# Allegro board RK_TABLET_DEMO1_RK3576_LP4XD200P132SD6_V12_20240530YWQ.brd (continued)
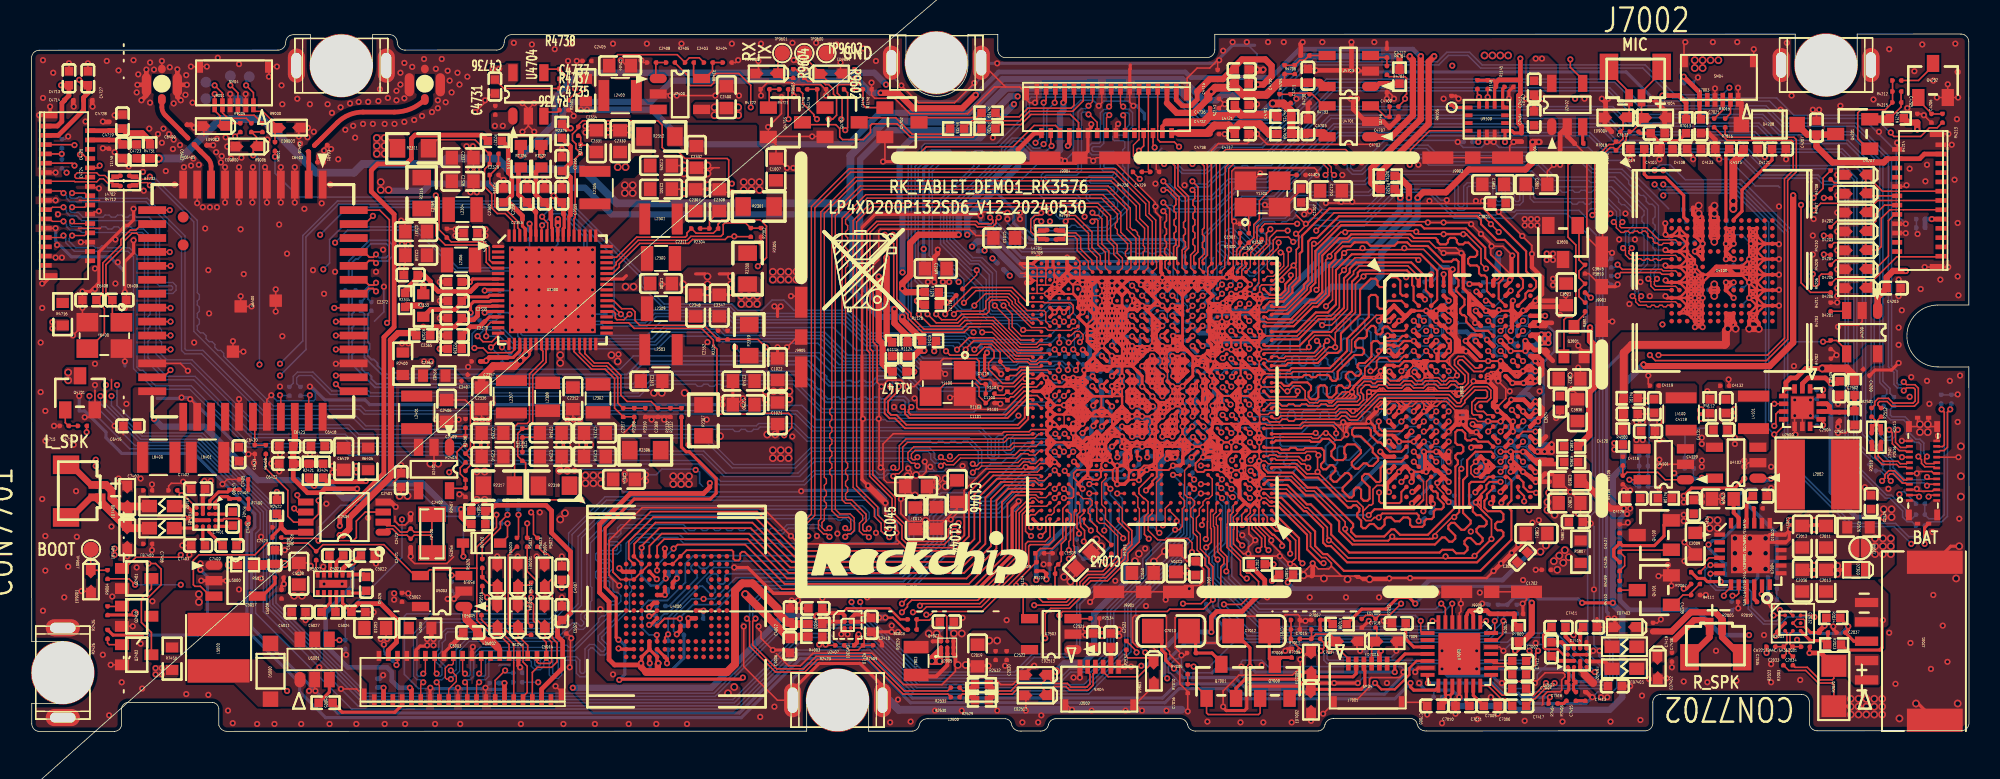
[diagram p0: board, top side]
## Routing (per net, layer and track width the routed paths; a pad name or vN(x,y) marks a point on that pad's centre or on a via; arc(x,y) is an arc through that point) (continued)
  TOP w0.203: C7013.1 72.93,5.91 72.93,5.26 73.18,5 73.18,4.6 v1(73.71,4.06)
  BOTTOM w0.203: v1(73.71,4.06) 74.3,3.48 77.65,3.48 78.41,2.72 86.29,2.72 v1(86.69,3.12)
HPOUT_R: length 15.1
  TOP w0.203: C7012.1 78.62,5.4 v1(78.62,4.19) ; U7000.11 88.62,5 87.96,4.34 v1(87.96,3.83)
  BOTTOM w0.203: v1(78.62,4.19) 78.97,3.83 v1(87.96,3.83)
HPOUT_R_C: length 6.6
  TOP w0.203: Q7000.2 81.59,2.55 ED7002.1 82.71,2.72 85.78,2.72 86.03,2.97 86.03,3.93 85.97,3.99 J7001.3
I2C0_SCL_M1_TP: length 43.3
  TOP w0.089: U1000.AB28 65.07,25.27 64.8,25 63.83,25 62.09,26.75 61.09,26.75
  TOP w0.102: 61.09,26.75 60.12,26.75 59.77,26.39 58.37,26.39 v1(57.81,26.95) ; v1(31.42,13.99) 31.42,12.59 R5021.1
  L4-SIG w0.089: 55,25.69 56.55,25.69 v1(57.81,26.95)
  L4-SIG w0.102: v1(31.42,13.99) 32.79,15.37 32.79,17.09 33.76,18.06 44.38,18.06 46.97,20.65 49.81,20.65 54.85,25.69 55,25.69
  BOTTOM w0.102: R1138.2 v1(31.42,13.99)
I2C0_SDA_M1_TP: length 47.3
  TOP w0.089: 61.31,26.54 62.03,26.54 63.76,24.81 64.88,24.81 65.06,24.99 65.7,24.99 U1000.1V24
  TOP w0.102: 61.31,26.54 60.23,26.54 59.87,26.19 58.02,26.19 v1(57.25,26.95) ; v1(30.71,13.99) 30.25,13.54 30.25,13.13 29.09,11.96 R5020.1
  L4-SIG w0.089: 55,25.89 56.36,25.89 57.25,26.79 v1(57.25,26.95)
  L4-SIG w0.102: v1(30.71,13.99) 32.39,15.67 32.39,17.55 33.76,18.92 42.7,18.92 43.36,18.26 44.28,18.26 46.87,20.85 49.71,20.85 54.75,25.89 55,25.89
  BOTTOM w0.102: R1139.2 v1(30.71,13.99)
I2C1_SCL_M0_RK806: length 42.7
  TOP w0.102: v1(28.78,25.53) 29.14,25.17 29.7,25.17 30.11,25.58 U2300.17 ; v1(66.86,23.35) 66.92,23.41 U1000.1T22
  BOTTOM w0.089: 61.37,23.44 R1128.2
  BOTTOM w0.102: 61.37,23.44 63.63,23.44 63.78,23.6 65.97,23.6 66.07,23.7 66.42,23.7 66.77,23.35 v1(66.86,23.35) ; v1(28.78,25.53) 29.19,25.93 30.2,25.93 31.17,24.97 40.3,24.97 41.11,25.78 44.1,25.78 44.5,25.37 50.93,25.37 52.4,23.9 56.77,23.9 57.23,23.44 60.7,23.44 R1128.2
I2C1_SDA_M0_RK806: length 41.4
  TOP w0.102: U2300.15 29.63,26.42 29.34,26.14 v1(29.34,25.53) ; U1000.1T23 66.32,23.36 v1(66.28,23.33)
  BOTTOM w0.102: v1(29.34,25.53) 30.2,25.53 30.97,24.76 32.29,24.76 32.34,24.71 40.39,24.71 41.2,25.53 44,25.53 44.35,25.17 48.95,25.17 49.05,25.07 50.73,25.07 52.1,23.7 55.96,23.7 57.43,22.22 61.57,22.22 R1127.2 62.08,22.73 63.22,22.73 63.88,23.39 66.22,23.39 v1(66.28,23.33)
I2C2_SCL_M0_SENSOR: length 52.8
  TOP w0.089: U1000.1W24 65.69,25.55 63.86,25.55 63.27,26.14 63.27,26.95 v1(62.72,27.51)
  TOP w0.102: J4701.28 65.76,37.87 v1(65.82,37.82) ; R1145.2 v1(93.96,40.97) 93.91,40.92 U9100.13
  L4-SIG w0.102: v1(65.82,37.82) 66.17,37.46 70.28,37.46 71.96,39.14 80.14,39.14 81.31,40.31 93.3,40.31 v1(93.96,40.97)
  BOTTOM w0.089: v1(62.72,27.51) 62.26,27.96 62.26,29.69 61.34,30.61
  BOTTOM w0.102: 61.34,30.61 60.73,30.61 59.46,31.88 59.46,33.55 62.79,36.88 62.79,37.56 63.36,38.12 63.88,38.12 64.54,37.46 65.46,37.46 v1(65.82,37.82)
I2C2_SDA_M0_SENSOR: length 54.8
  TOP w0.089: v1(62.16,27.51) 63.07,26.59 63.07,26.03 63.84,25.27 U1000.AB29
  TOP w0.102: v1(66.02,40.61) 66.06,40.66 J4701.27 ; U9100.14 93.41,40.91 93.4,40.92 v1(93.4,40.97) 93.4,41.08 93.3,41.18 R1146.2
  L4-SIG w0.102: v1(93.4,40.97) 92.94,40.51 81.21,40.51 80.04,39.34 71.87,39.34 70.27,37.75 67.51,37.75 67.08,38.18 65.54,38.18 v1(65.3,37.93)
  BOTTOM w0.102: v1(62.16,27.51) 62,27.66 62,29.59 61.19,30.4 60.63,30.4 59.26,31.77 59.26,33.65 62.59,36.98 62.59,37.65 63.27,38.33 63.98,38.33 64.64,37.67 65.04,37.67 v1(65.3,37.93) 65.51,38.14 65.51,40.11 v1(66.02,40.61)
I2C3_SCL_M0_AUDIO: length 29.9
  TOP w0.089: 77.35,13.32 77.36,13.34 77.36,13.35 77.36,13.98 77.53,14.16 77.53,14.59 U1000.1A4
  TOP w0.102: v1(76.94,8.2) 78.06,8.2 79.17,9.32 79.17,9.68 78.62,10.24 78.41,10.24 78.21,10.44 78.21,11.11 77.35,11.97 77.35,13.32 ; v1(94.41,7.14) 94.41,6.45 94.31,6.35 U7000.28
  BOTTOM w0.102: v1(76.94,8.2) 78.77,6.37 93.75,6.37 94.41,7.04 v1(94.41,7.14) 94.62,7.34 R1801.2 C7007.1
I2C3_SDA_M0_AUDIO: length 29.3
  TOP w0.089: U1000.B8 76.07,14.18 76.07,13.13 76.13,13.08
  TOP w0.102: v1(94.97,7.14) 94.97,7.04 94.92,6.98 94.92,6.27 94.55,5.9 U7000.27 ; v1(75.8,11.89) 76.13,12.22 76.13,13.08
  BOTTOM w0.102: C7008.1 R1800.2 94.97,7.37 v1(94.97,7.14) 94.01,6.17 78.46,6.17 76.58,8.05 76.58,8.91 75.92,9.57 75.92,10.59 75.77,10.74 75.77,11.86 v1(75.8,11.89)
I2C4_SCL_M3_MIPI_CSI0: length 111.2
  TOP w0.089: U1000.1E9 74.4,16.85 74.4,15.31 74.61,15.1 74.82,15.1 75.05,14.87 75.05,14.63 74.8,14.38 74.8,13.9 74.96,13.74 74.96,12.83 75.21,12.57 75.21,11.71 75.45,11.47 ; 71.46,39.04 71.46,38.23 71.45,38.23 71.1,37.87 71.1,37.16 v1(71.45,36.8)
  TOP w0.102: 75.45,11.47 75.45,11.42 75.72,11.15 75.72,10.74 75.97,10.49 75.97,9.32 v1(75.82,9.17) ; J4701.9 71.46,39.04
  L4-SIG w0.102: v1(71.45,36.8) 71.71,36.8 72.01,37.11 72.01,37.76 72.38,38.12 75.11,38.12 75.82,37.41 79.89,37.41 81.77,39.29 97.53,39.29 98.39,38.43 105.59,38.43 106.86,37.16 106.86,23.7 105.13,21.97 102.66,21.97 101.58,20.89 101.58,11.93 96.02,6.37 88.98,6.37 88.78,6.58 81.92,6.58 81.41,7.09 78.57,7.09 76.22,9.43 76.08,9.43 v1(75.82,9.17)
  BOTTOM w0.102: v1(75.82,9.17) 75.82,8.81 R1927.2
I2C4_SDA_M3_MIPI_CSI0: length 113.2
  TOP w0.089: v1(72.77,12.83) 72.72,12.83 72.58,12.96 72.58,16.09 72.92,16.42 U1000.1D12
  TOP w0.102: J4701.8 71.76,37.83 v1(71.45,37.52)
  L4-SIG w0.102: v1(72.77,12.83) 75.16,10.44 75.16,8.51 76.99,6.68 81.21,6.68 81.71,6.17 88.57,6.17 88.78,5.97 96.21,5.97 101.98,11.74 101.98,17.5 102.49,18.01 102.49,20.04 103.46,21.01 104.83,21.01 108.38,24.56 108.38,26.19 109.6,27.41 110.21,27.41 110.42,27.61 110.42,31.52 111.18,32.28 111.18,34.13 109.37,35.94 108.27,35.94 107.88,36.33 107.88,36.5 107.88,37.4 106.44,38.84 98.56,38.84 97.7,39.7 81.58,39.7 79.7,37.82 76.03,37.82 75.31,38.53 72.21,38.53 71.45,37.78 v1(71.45,37.52)
  BOTTOM w0.102: R1926.2 72.34,13.26 72.58,13.02 72.58,12.96 72.72,12.83 v1(72.77,12.83)
I2C5_SCL_M3_MIPI_CSI3: length 114.7
  TOP w0.102: U1000.1D9 v1(75.02,16.27) ; v1(2.77,36.55) 2.62,36.7 J4702.9
  L4-SIG w0.102: v1(2.77,36.55) 3.84,36.55 4.75,35.64 4.75,33.35 4.45,33.04 v1(4.45,21.67)
  BOTTOM w0.089: R1935.2 74.91,16.38 v1(75.02,16.27)
  BOTTOM w0.102: v1(75.02,16.27) 75.02,16.24 74.55,15.77 74.55,12.67 73.89,12.01 73.89,11.49 70.54,8.14 70.54,5.36 68,2.82 57.12,2.82 54.28,5.66 52.15,5.66 51.49,6.32 49.82,6.32 45.35,1.85 21.36,1.85 15.17,8.04 15.17,14.27 10.77,18.67 6.96,18.67 4.45,21.18 v1(4.45,21.67)
I2C5_SDA_M3_MIPI_CSI3: length 112.2
  TOP w0.089: U1000.1B10 74.12,15.19 74.4,14.91 74.4,14.53 74.25,14.38 74.25,13.23 74.04,13.03 v1(73.79,13.03)
  TOP w0.102: J4702.8 3.59,37 3.33,37.26 v1(3.13,37.26)
  L4-SIG w0.102: v1(5.51,22.38) 5.51,22.58 5.06,23.04 5.06,32.74 5.67,33.35 5.67,36.09 4.5,37.26 v1(3.13,37.26)
  BOTTOM w0.089: 73.55,13.32 73.49,13.39 73.49,13.76 R1934.2
  BOTTOM w0.102: v1(5.51,22.38) 5.51,21.06 7.29,19.28 11.02,19.28 15.78,14.52 15.78,8.3 21.61,2.46 44.03,2.46 48.65,7.09 53.72,7.09 57.37,3.43 66.36,3.43 66.97,4.04 68.25,4.04 69.42,5.2 69.42,7.91 71.71,10.2 71.71,11.15 72.93,12.37 73.13,12.37 v1(73.79,13.03) 73.79,13.08 73.55,13.32
I2C6_SCL_M3_CC_RTC: length 172.2
  TOP w0.089: v1(80.6,30.93) 80.71,30.93 80.8,30.85 80.8,30.06 80.13,29.4 79.74,29.4 U1000.1AE1
  TOP w0.102: v1(16.94,14.4) 17.18,14.17 U2404.6 ; U2003.A3 114.94,7.49 v1(115.04,7.39) ; U2500.6 112.72,20.66 112.55,20.5 112.55,19.84 v1(112.45,19.74) ; U2004.5 108.36,10.71 v1(108.33,10.74)
  L4-SIG w0.102: v1(112.45,19.74) 112.8,19.38 112.8,15.37 111.48,14.05 107.62,14.05 107.52,13.94 107.52,11.56 v1(108.33,10.74) ; v1(104.73,35.33) 104.32,35.33 104.02,35.64 87.2,35.64 87.1,35.53 82.21,35.53 80.5,33.82 80.5,32.08 80.83,31.75 80.83,31.43 80.79,31.4 80.79,31.13 v1(80.6,30.93) 80.27,30.93 79.84,31.37 78.26,31.37 76.79,32.84 72.06,32.84 70.08,34.82 60.18,34.82 57.08,31.72 52.92,31.72 46.57,38.07 40.62,38.07 37.55,41.14 30.42,41.14 23.5,34.21 21.21,34.21 19.99,32.99 19.99,31.47 19.74,31.22 18.57,31.22 16.79,29.44 16.79,14.55 v1(16.94,14.4)
  BOTTOM w0.102: R1802.2 108.67,10.74 v1(108.33,10.74) 108.28,10.74 107.98,10.44 107.98,9.83 108.69,9.12 110.57,9.12 110.77,8.91 110.77,7.92 111.75,6.93 112.86,6.93 113.31,7.39 v1(115.04,7.39) ; v1(104.73,35.33) 105.08,34.98 110.01,34.98 112.09,32.89 112.09,20.09 v1(112.45,19.74)
I2C6_SDA_M3_CC_RTC: length 168.6
  TOP w0.089: v1(81.15,31.12) 81.09,31.06 81.09,30.08 80.13,29.12 U1000.AJ1
  TOP w0.102: U2003.A2 113.62,7.49 113.31,7.8 112.86,7.8 v1(112.8,7.85) ; U2500.7 113.05,19.73 112.5,19.18 v1(112.45,19.18) ; v1(17.15,15.26) 17.15,15.11 17.44,14.82 U2404.5 ; U2004.6 108.36,10.21 v1(108.33,10.18)
  L4-SIG w0.102: v1(105.29,34.62) 104.68,34.62 103.86,35.43 87.3,35.43 87.2,35.33 82.32,35.33 80.7,33.71 80.7,32.18 80.91,31.97 80.94,31.97 81.06,31.85 81.06,31.21 v1(81.15,31.12) 81.09,31.06 81.09,30.85 80.82,30.58 80.32,30.58 79.74,31.17 78.16,31.17 76.69,32.64 71.96,32.64 69.98,34.62 60.28,34.62 57.18,31.52 52.84,31.52 46.54,37.82 40.57,37.82 37.45,40.93 30.52,40.93 23.6,34.01 21.31,34.01 20.2,32.89 20.2,31.32 19.89,31.01 18.82,31.01 17,29.18 17,15.42 v1(17.15,15.26) ; v1(112.45,19.18) 112.5,19.18 112.6,19.08 112.6,15.47 111.38,14.25 107.52,14.25 107.32,14.05 107.32,11.47 107.98,10.81 107.98,10.54 v1(108.33,10.18)
  BOTTOM w0.102: v1(105.29,34.62) 105.44,34.77 109.91,34.77 111.89,32.79 111.89,19.74 v1(112.45,19.18) ; v1(112.8,7.85) 112.8,7.34 112.6,7.14 111.84,7.14 110.98,8 110.98,9.02 110.67,9.32 108.79,9.32 108.33,9.78 v1(108.33,10.18) 108.67,10.18 R1803.2
I2C_MODE_SEL: length 2.7
  TOP w0.102: v1(29.64,24.82) 29.7,24.82 30.1,25.22 30.61,25.22 U2300.18
  BOTTOM w0.102: R2324.2 30.39,24.07 v1(29.64,24.82)
LCD_BL_PWM1_CH1_M0: length 60.5
  TOP w0.089: v1(59.52,26.95) 59.72,27.15 61.39,27.15 61.57,27.33 61.57,27.79 61.85,28.07 62.97,28.07 63.27,27.76 63.27,27.6 64.51,26.37 U1000.AD29
  TOP w0.102: U5001.4 19.27,5.9 v1(19.87,5.9)
  L4-SIG w0.089: 55,26.36 56.26,26.36 56.57,26.67 56.57,27.07 56.97,27.46 58.19,27.46 58.35,27.3 59.16,27.3 v1(59.52,26.95)
  L4-SIG w0.102: v1(23.9,13.69) 24.21,13.39 28.88,13.39 31.93,16.43 31.93,17.67 33.59,19.33 42.87,19.33 43.27,19.74 44.99,19.74 45.29,20.04 45.29,20.48 45.51,20.7 46.1,20.7 46.76,21.36 46.76,22.17 47.07,22.48 50.63,22.48 54.5,26.36 55,26.36
  BOTTOM w0.102: v1(23.9,13.69) 23.9,11.25 20.25,7.59 R5006.1 19.88,5.89 v1(19.87,5.9)
LCD_ID: length 1
  TOP w0.102: v1(23.55,4.29) 23.61,4.36 J5000.6
  BOTTOM w0.102: v1(23.55,4.29) 23.29,4.55 R5015.1
LCD_PWREN_H: length 80.7
  TOP w0.089: 62.87,27.86 63.07,27.66 63.07,27.53 64.52,26.09 65.42,26.09 65.61,25.9 67.05,25.9 67.19,26.03 67.38,26.03 U1000.1Y21
  TOP w0.102: v1(58.37,26.95) 58.73,26.59 59.67,26.59 60.02,26.95 61.6,26.95 61.8,27.15 61.8,27.71 61.95,27.86 62.87,27.86 ; U5000.3 11.53,8.74 10.9,9.37 10.54,9.37 10.44,9.47 10.44,11.05 10.8,11.4 14.4,11.4 15.17,12.17 17.83,12.17 R5027.1 18.8,12.06 22.74,12.06 24.73,10.07 U5003.4 25.31,10.07 25.68,10.44 27.05,10.44 27.16,10.54 28.73,10.54 ; 28.73,10.54 28.73,11.91 30,13.18 v1(30,13.99) ; 28.73,10.54 28.73,7.19 29.7,6.22 30.2,6.22 30.81,5.61 J5000.30
  L4-SIG w0.089: 55,26.15 56.33,26.15 56.78,26.61 56.78,27.01 57.05,27.27 58.05,27.27 v1(58.37,26.95)
  L4-SIG w0.102: v1(30,13.99) 32.18,16.18 32.18,17.64 33.68,19.13 42.95,19.13 43.36,19.53 45.09,19.53 45.49,19.94 45.49,20.4 45.6,20.5 46.21,20.5 46.76,21.06 49.56,21.06 54.65,26.15 55,26.15
LCD_RESET_L: length 51.6
  TOP w0.089: 70.08,11.47 70.08,12.62 69.27,13.44 68.91,13.44 68.73,13.61 68.73,14.75 U1000.1A19
  TOP w0.102: 70.08,11.47 70.08,11.3 69.12,10.34 68.05,10.34 67.44,9.73 67.44,9.32 66.68,8.56 65.61,8.56 v1(65.26,8.91)
  L4-SIG w0.102: v1(65.26,8.91) 65.46,8.71 65.46,8 64.9,7.44 64.34,7.44 61.95,9.83 55.6,9.83 53.77,8 52.3,8 52.2,8.1 52.2,8.86 51.64,9.42 48.42,9.42 46.64,7.64 46,7.64 40.82,2.46 33.4,2.46 v1(32.69,3.17)
  BOTTOM w0.102: R5010.1 v1(32.69,3.17)
LCD_RST: length 3.4
  TOP w0.102: J5000.27 29.91,3.29 v1(30.56,3.94)
  BOTTOM w0.102: R5010.2 C5015.1 30.71,3.78 v1(30.56,3.94)
LCD_SPI_CLK: length 6.7
  TOP w0.089: 31.11,4.44 31.11,5.41
  TOP w0.102: 31.11,5.41 31.11,5.62 30.1,6.63 30.1,6.78 ED5005.1 29.45,6.81 29.04,7.22 R5016.2 ; J5000.31 31.11,4.44
LCD_SPI_CSN: length 6.4
  TOP w0.102: R5017.2 32.09,9.45 ED5004.1 31.39,9.35 31.83,8.91 31.83,8.51 32.03,8.31 32.29,8.31 32.39,8.2 32.39,7.14 32.54,6.98 32.54,6.43 33.21,5.75 J5000.38
LED_B: length 9.2
  TOP w0.102: R4723.2 60.68,39.45 63.78,39.45 64.39,40.06 67.19,40.06 67.86,40.73 J4701.21
LED_CTRL_B: length 135
  TOP w0.089: v1(73,13.31) 73.15,13.46 73.15,14.4 U1000.1A11
  TOP w0.102: v1(50.68,39.55) 50.47,39.75 50.47,39.85 49.76,40.56 49.76,41.2 R4724.1
  L4-SIG w0.102: v1(50.68,39.55) 52.35,37.87 59.38,37.87 59.61,37.64 59.61,36.73 60.45,35.89 70.03,35.89 71.3,37.16 71.71,37.16 71.81,37.26 71.81,37.84 72.29,38.33 75.21,38.33 75.92,37.62 79.78,37.62 81.66,39.5 97.61,39.5 98.48,38.63 106.35,38.63 107.67,37.31 107.67,36.58 107.67,36.25 107.82,36.09 108.18,35.74 109.28,35.74 110.92,34.1 110.92,32.33 110.21,31.62 110.21,27.71 110.11,27.61 109.5,27.61 108.18,26.29 108.18,24.73 105.22,21.77 102.75,21.77 101.78,20.8 101.78,11.83 96.12,6.17 88.89,6.17 88.69,6.37 81.82,6.37 81.31,6.88 77.09,6.88 75.36,8.61 75.36,10.54 73.23,12.67 73.23,13.08 v1(73,13.31)
LED_CTRL_G: length 124.1
  TOP w0.089: U1000.A9 75.57,13.67 75.57,13.39 v1(75.52,13.33)
  TOP w0.102: v1(48.85,39.55) 48.82,39.58 R4721.1
  L4-SIG w0.089: v1(75.52,13.33) 75.77,13.33 75.79,13.32
  L4-SIG w0.102: v1(48.85,39.55) 48.85,38.84 50.02,37.67 59.26,37.67 59.41,37.52 59.41,36.65 60.37,35.69 70.13,35.69 70.89,36.45 72.67,36.45 72.82,36.3 75.16,36.3 75.67,36.8 80.19,36.8 82.07,38.68 97.26,38.68 98.12,37.82 105.3,37.82 106.25,36.87 106.25,23.95 104.93,22.63 102.44,22.63 100.97,21.16 100.97,12.22 97.71,8.96 96.08,8.96 94.82,7.7 87.61,7.7 87.4,7.9 78.61,7.9 76.53,9.98 76.53,10.59 76.18,10.95 76.18,11.35 76.43,11.61 76.43,12.67 75.79,13.32
LED_CTRL_R: length 137.9
  TOP w0.102: U1000.1D13 71.45,15.71 71.45,15.37 71.77,15.04 71.83,15.04 72.04,14.83 72.04,14.1 71.81,13.87 71.81,12.72 v1(72.09,12.45) ; v1(52.5,38.84) 52.66,38.99 52.66,41.25 R4717.1
  L4-SIG w0.102: v1(72.09,12.45) 72.32,12.22 72.32,11.45 71.91,11.05 71.91,10.74 72.32,10.34 73.03,10.34 76.89,6.48 81.11,6.48 81.61,5.97 88.42,5.97 88.62,5.77 96.29,5.77 102.19,11.66 102.19,17.4 102.7,17.91 102.7,19.94 103.56,20.8 104.91,20.8 108.59,24.48 108.59,26.09 109.71,27.2 110.62,27.2 111.38,27.96 111.38,34.21 109.45,36.14 108.35,36.14 108.08,36.41 108.08,37.48 106.52,39.04 98.65,39.04 97.78,39.9 81.5,39.9 79.62,38.02 76.13,38.02 75.42,38.73 72.12,38.73 69.48,36.09 60.54,36.09 59.82,36.81 59.82,37.72 59.46,38.07 53.8,38.07 53.04,38.84 v1(52.5,38.84)
LED_G: length 6.6
  TOP w0.102: R4720.2 62.45,39.19 63.83,39.19 64.49,39.85 67.03,39.85 67.56,39.32 J4701.22
LED_R: length 6.6
  TOP w0.102: J4701.23 67.26,40.44 67.08,40.26 64.29,40.26 63.73,39.7 62.45,39.7 R4719.2
LEDK: length 5.2
  TOP w0.203: R5005.2 20.04,1.24 23.45,1.24 23.91,1.71 J5000.7
LPDDR4_A0_A: length 17.1
  TOP w0.114: U3800.H2 88.56,24.25 88.23,23.91 87.65,23.91 87.43,24.13 86.99,24.13 86.79,23.93 86.79,23.49 86.57,23.27 v1(86.4,23.27) ; U1000.T1 v1(80.38,21.97)
  BOTTOM w0.114: v1(86.4,23.27) 86.4,23.51 86.28,23.62 85.57,23.62 85.46,23.74 85.46,24.02 85.35,24.13 85.12,24.13 85,24.02 85,23.74 84.89,23.62 84.66,23.62 84.55,23.74 84.55,24.02 84.43,24.13 84.2,24.13 84.09,24.02 84.09,23.74 83.97,23.62 83.75,23.62 83.63,23.74 83.63,24.02 83.52,24.13 83.29,24.13 83.17,24.02 83.17,23.74 83.06,23.62 82.83,23.62 82.72,23.74 82.72,24.02 82.6,24.13 82.37,24.13 82.26,24.02 82.26,23.74 82.15,23.62 81.92,23.62 81.8,23.74 81.8,24.14 81.69,24.26 81.45,24.26 81.33,24.14 81.33,23.75 81.22,23.63 80.94,23.63 80.85,23.72 80.69,23.72 80.44,23.48 80.44,23.26 80.57,23.14 80.57,22.98 80.4,22.82 80.23,22.82 80.02,23.03 79.86,23.03 79.56,22.73 79.56,22.35 79.94,21.97 v1(80.38,21.97)
LPDDR4_A0_B: length 16.3
  TOP w0.114: U1000.L1 80.02,19.22 82.8,19.22 v1(82.86,19.28) ; U3800.R2 88.41,19.39 87.16,19.39 86.93,19.62 v1(86.93,20.02)
  BOTTOM w0.114: v1(86.93,20.02) 86.52,19.61 84.49,19.61 84.29,19.81 82.47,19.81 81.91,19.24 80.69,19.24 80.57,19.13 80.57,18.54 80.7,18.41 82.86,18.41 83.22,18.78 83.22,18.94 82.94,19.22 82.92,19.22 v1(82.86,19.28)
LPDDR4_A1_A: length 17.6
  TOP w0.114: U1000.1N1 79.87,21.61 81.58,21.61 81.7,21.73 v1(81.7,21.97) ; U3800.J2 v1(88.39,23.27)
  BOTTOM w0.114: v1(81.7,21.97) 81.7,21.97 81.32,22.35 81.16,22.35 80.95,22.56 80.95,23.13 81.08,23.25 81.22,23.25 81.33,23.14 81.33,22.86 81.46,22.73 81.66,22.73 81.78,22.85 81.78,23.13 81.89,23.24 82.12,23.24 82.23,23.13 82.23,22.85 82.35,22.73 82.57,22.73 82.69,22.85 82.69,23.13 82.8,23.24 83.03,23.24 83.14,23.13 83.14,22.85 83.26,22.73 83.49,22.73 83.6,22.85 83.6,23.13 83.71,23.24 83.94,23.24 84.06,23.13 84.06,22.85 84.17,22.73 84.4,22.73 84.51,22.85 84.51,23.13 84.63,23.24 84.86,23.24 84.97,23.13 84.97,22.85 85.09,22.73 85.31,22.73 85.43,22.85 85.43,23.13 85.54,23.24 85.77,23.24 85.9,23.11 85.9,22.85 86.01,22.73 88.71,22.73 88.83,22.85 88.83,23.24 88.7,23.37 88.49,23.37 v1(88.39,23.27)
LPDDR4_A1_B: length 17.1
  TOP w0.114: U3800.P2 v1(88.39,20.02) ; U1000.1J1 79.52,19.58 81.93,19.58 82.1,19.75 83.97,19.75 84.18,19.54 v1(84.18,19.25)
  BOTTOM w0.114: v1(88.39,20.02) 87.93,19.56 87.05,19.56 86.2,18.71 86.04,18.71 85.63,19.12 85.47,19.12 85.31,18.96 85.31,18.8 85.72,18.39 85.72,18.22 85.02,17.53 84.83,17.53 84.72,17.64 84.72,18.3 84.61,18.41 84.38,18.41 84.26,18.3 84.26,17.33 84.15,17.21 83.61,17.21 83.49,17.33 83.49,18.41 83.75,18.67 84,18.67 84.18,18.85 v1(84.18,19.25)
LPDDR4_A2_A: length 17.9
  TOP w0.114: U1000.1R3 78.57,22.92 v1(78.57,22.92) ; U3800.H9 v1(93.99,24.57)
  L4-SIG w0.091: v1(93.99,24.57) 93.04,23.62 92.83,23.62 92.74,23.71 92.74,24.04 92.65,24.13 92.47,24.13 92.37,24.04 92.37,23.71 92.28,23.62 86.16,23.62 85.61,23.07 79.6,23.07 79.45,23.22 78.88,23.22 v1(78.57,22.92)
LPDDR4_A2_B: length 18.5
  TOP w0.114: v1(93.99,19.37) U3800.R9 ; U1000.1J3 v1(78.62,19.27)
  L4-SIG w0.091: v1(93.99,19.37) 93.72,19.37 93.63,19.46 93.63,20.6 93.53,20.7 92.18,20.7 91.61,21.26 86.72,21.26 86.63,21.17 86.63,21.17 86.54,21.08 84.13,21.08 83.37,20.32 80.06,20.32 79.37,19.62 79.08,19.62 78.73,19.27 v1(78.62,19.27)
LPDDR4_A3_A: length 19.5
  TOP w0.114: U1000.1T2 v1(78.62,24.07) ; U3800.H10 v1(94.79,24.57)
  L4-SIG w0.091: v1(78.62,24.07) 78.97,23.72 79.51,23.72 79.77,23.46 85.37,23.46 85.92,24.02 91.67,24.02 91.99,24.34 91.99,25.39 92.27,25.67 94.07,25.67 94.29,25.45 94.29,25.07 v1(94.79,24.57)
LPDDR4_A3_B: length 19.4
  TOP w0.114: v1(94.79,19.37) U3800.R10 ; v1(78.62,18.67) 78.66,18.63 U1000.1G2
  L4-SIG w0.089: 91.49,20.35 86.64,20.35
  L4-SIG w0.091: v1(78.62,18.67) 78.66,18.63 78.77,18.63 79.07,18.32 79.39,18.32 80.24,19.18 81.59,19.18 82.04,19.62 84.83,19.62 85.78,20.57 86.41,20.57 86.64,20.35 ; v1(94.79,19.37) 94.74,19.37 94.29,18.92 92.51,18.92 92,19.43 92,20.19 91.85,20.35 91.49,20.35
LPDDR4_A4_A: length 21
  TOP w0.114: v1(77.37,21.11) 77.37,21.12 U1000.1M5 ; U3800.H11 v1(96.24,23.92)
  L4-SIG w0.091: v1(96.24,23.92) 95.52,23.2 95.52,23 94.79,22.27 82.78,22.27 81.97,21.46 77.72,21.46 v1(77.37,21.11)
LPDDR4_A4_B: length 22.9
  TOP w0.114: U3800.R11 v1(96.26,20.04) ; U1000.1F4 77.46,17.52 v1(77.46,17.52)
  L4-SIG w0.089: 91.62,19 91.57,19.05 91.05,19.05 90.96,19.13 90.96,19.5 90.77,19.69 88.41,19.69 88.15,19.43 ; 94.41,18.4 94.5,18.4 94.5,18.4 94.77,18.4 95.05,18.67 95.05,18.92 95.17,19.05 95.72,19.05 95.91,19.24 95.91,19.24 95.94,19.26
  L4-SIG w0.091: 94.41,18.4 93.64,18.4 93.2,17.97 92.66,17.97 91.62,19 ; v1(96.26,20.04) 95.94,19.72 95.94,19.26 ; v1(77.46,17.52) 77.46,17.52 78.11,18.16 78.79,18.16 78.92,18.03 79.56,18.03 80.32,18.8 84.95,18.8 85.58,19.43 88.15,19.43
LPDDR4_A5_A: length 20.3
  TOP w0.114: U1000.1P5 v1(77.42,22.27) ; U3800.J11 v1(95.59,23.92)
  L4-SIG w0.091: v1(77.42,22.27) 77.84,21.84 79.43,21.84 80.25,22.67 92.33,22.67 92.63,22.97 94.93,22.97 95.18,23.22 95.18,23.51 v1(95.59,23.92)
LPDDR4_A5_B: length 20.9
  TOP w0.114: v1(76.86,20.44) 76.86,20.44 77.12,20.18 U1000.1K5 ; U3800.P11 95.52,20.74 v1(95.52,20.76)
  L4-SIG w0.089: v1(76.86,20.44) 76.86,20.44 77.23,20.07 78.92,20.07 79.68,20.83 80.06,20.83
  L4-SIG w0.091: v1(95.52,20.76) 95.2,21.08 94.41,21.08 94.02,21.48 91.96,21.48 91.71,21.73 86.59,21.73 86.44,21.58 83.86,21.58 83.11,20.83 80.06,20.83
LPDDR4_CKE0_A: length 18.4
  TOP w0.089: U1000.1N3 v1(78.58,22.24) ; U3800.J4 v1(90.64,23.27)
  BOTTOM w0.089: v1(90.64,23.27) 91.11,22.8 91.11,22.44 91.02,22.36 90.58,22.36 90.49,22.44 90.49,22.64 90.4,22.73 90.22,22.73 90.13,22.64 90.13,22.44 90.05,22.36 89.87,22.36 89.78,22.44 89.78,22.64 89.69,22.73 89.51,22.73 89.42,22.64 89.42,22.44 89.33,22.36 84.88,22.36 84.76,22.24 84.76,21.9 84.65,21.79 84.38,21.79 84.27,21.9 84.27,22.24 84.15,22.35 83.92,22.35 83.81,22.24 83.81,21.9 83.69,21.79 83.47,21.79 83.35,21.9 83.35,22.24 83.24,22.35 83.01,22.35 82.89,22.24 82.89,21.9 82.45,21.46 79.94,21.46 79.56,21.84 78.58,21.84 78.49,21.93 78.49,22.15 v1(78.58,22.24)
LPDDR4_CKE0_B: length 16.5
  TOP w0.089: U1000.1K2 v1(78.62,20.47) ; U3800.P4 v1(90.64,20.67)
  BOTTOM w0.089: v1(78.62,20.47) 78.77,20.32 80.08,20.32 80.78,19.61 81.77,19.61 82.35,20.19 83.07,20.19 83.15,20.28 83.15,20.56 83.28,20.68 83.6,20.68 83.71,20.57 83.71,20.28 83.8,20.19 84.08,20.19 84.17,20.28 84.17,20.57 84.28,20.68 84.78,20.68 84.89,20.57 84.89,20.32 85.14,20.07 85.78,20.07 85.91,20.19 85.91,20.32 85.82,20.41 85.82,20.53 85.94,20.65 86.34,20.65 86.54,20.45 86.87,20.45 87.11,20.69 87.11,21.05 87.22,21.16 87.98,21.16 88.15,20.99 88.36,20.99 88.53,21.16 90.15,21.16 v1(90.64,20.67)
LPDDR4_CKE1_A: length 19.5
  TOP w0.089: U1000.1N5 76.86,22.23 v1(76.86,22.23) ; U3800.J5 v1(91.44,23.27)
  BOTTOM w0.089: v1(76.86,22.23) 76.86,22.22 76.86,22.12 77.47,21.51 77.65,21.51 77.76,21.63 77.76,21.83 77.85,21.92 78.03,21.92 78.12,21.83 78.12,21.68 78.23,21.56 79.33,21.56 79.81,21.08 82.63,21.08 82.97,21.42 85.41,21.42 85.53,21.53 85.53,21.75 85.64,21.86 85.82,21.86 85.91,21.77 85.91,21.51 85.99,21.42 86.28,21.42 86.85,21.99 91.76,21.99 92,22.23 92,22.48 91.44,23.04 v1(91.44,23.27)
LPDDR4_CKE1_B: length 17
  TOP w0.089: U3800.P5 v1(91.44,20.67) ; v1(78.57,21.12) 78.57,21.12 U1000.1M3
  BOTTOM w0.089: v1(91.44,20.67) 91.23,20.88 91.23,21 91.47,21.24 91.47,21.36 91.34,21.49 91.22,21.49 90.98,21.25 90.86,21.25 90.51,21.6 86.94,21.6 86.42,21.08 83.15,21.08 82.79,20.71 82.09,20.71 81.98,20.6 81.98,20.31 81.87,20.19 81.64,20.19 81.52,20.31 81.52,20.6 81.41,20.71 81.18,20.71 81.07,20.6 81.07,20.31 80.95,20.19 80.72,20.19 80.61,20.31 80.61,20.6 80.49,20.71 78.98,20.71 78.57,21.12 v1(78.57,21.12)
LPDDR4_CLKN_A: length 19.4
  TOP w0.107: U1000.P1 80.12,20.97 80.42,20.97 80.6,20.8 84.06,20.8 84.35,21.08 85.62,21.08 85.94,21.4 85.94,21.74 85.78,21.91 85.78,22.09 86.07,22.38 86.32,22.38 86.45,22.25 86.79,22.25 86.92,22.38 87.34,22.38 87.54,22.18 88.4,22.18 88.64,22.42 88.95,22.42 89.18,22.19 89.81,22.19 90.04,22.42 90.61,22.42 90.85,22.18 91.38,22.18 91.61,22.4 91.82,22.4 92.01,22.21 92.43,22.21 92.71,22.5 92.71,23.09 92.04,23.76 92.04,23.9 92.15,24 92.31,24 93.07,23.25 93.48,23.25 93.49,23.25 93.66,23.25 93.91,23.49 94.21,23.49 U3800.J9
LPDDR4_CLKN_B: length 19.2
  TOP w0.107: U1000.N1 80.12,20.22 80.44,20.22 80.62,20.39 84.23,20.39 84.45,20.6 84.86,20.6 85.12,20.34 85.46,20.34 86.87,21.75 91.46,21.75 92,21.21 92.15,21.21 92.26,21.32 92.26,21.46 93.06,22.27 93.92,22.27 94.16,22.03 94.16,21.54 93.92,21.3 93.39,21.3 93.16,21.07 93.16,20.81 93.3,20.67 93.69,20.67 93.91,20.45 94.21,20.45 U3800.P9
LPDDR4_CLKP_A: length 19.4
  TOP w0.107: U3800.J8 93.39,23.47 93.16,23.47 92.41,24.23 92.06,24.23 91.82,23.99 91.82,23.67 92.49,23 92.49,22.59 92.33,22.44 92.1,22.44 91.91,22.63 91.52,22.63 91.29,22.4 90.94,22.4 90.7,22.64 89.95,22.64 89.72,22.41 89.27,22.41 89.05,22.64 88.55,22.64 88.31,22.4 87.63,22.4 87.43,22.61 86.83,22.61 86.7,22.47 86.55,22.47 86.41,22.61 85.98,22.61 85.56,22.18 85.56,21.81 85.72,21.65 85.72,21.5 85.53,21.31 84.25,21.31 83.97,21.02 83.63,21.02 83.52,21.14 83.21,21.14 83.1,21.02 82.38,21.02 82.26,21.14 81.96,21.14 81.84,21.02 81.53,21.02 81.42,21.14 81.11,21.14 81,21.02 80.69,21.02 80.52,21.2 79.94,21.2 U1000.1L1
LPDDR4_CLKP_B: length 19.1
  TOP w0.107: U1000.1K1 79.7,20.17 79.88,19.99 80.54,19.99 80.71,20.17 81.01,20.17 81.13,20.05 81.44,20.05 81.55,20.17 84.33,20.17 84.54,20.38 84.76,20.38 85.03,20.11 85.55,20.11 86.97,21.53 91.37,21.53 91.9,20.99 92.24,20.99 92.48,21.23 92.48,21.37 93.15,22.04 93.83,22.04 93.94,21.94 93.94,21.63 93.83,21.52 93.21,21.52 92.93,21.25 92.93,20.55 93.04,20.45 93.41,20.45 U3800.P8
LPDDR4_CSN0_A: length 19.9
  TOP w0.114: v1(77.45,22.9) U1000.1R4 ; U3800.H4 v1(89.99,24.57)
  BOTTOM w0.114: v1(89.99,24.57) 89.46,24.04 89.17,24.04 89.01,23.88 86.54,23.88 85.92,24.49 85.92,25.27 85.81,25.38 85.58,25.38 85.46,25.27 85.46,24.62 85.35,24.51 85.12,24.51 85.01,24.62 85.01,25.27 84.89,25.38 84.66,25.38 84.55,25.27 84.55,24.59 84.44,24.48 83.56,24.48 83.45,24.59 83.45,24.78 83.33,24.89 83.1,24.89 82.99,24.78 82.99,24.59 82.88,24.48 81.96,24.48 81.84,24.59 81.84,25.28 81.72,25.4 81.35,25.4 81.21,25.26 81.21,24.56 81.09,24.45 80.89,24.45 79.81,23.37 77.65,23.37 77.45,23.17 v1(77.45,22.9)
